# Altium PCB Nixie_MCU.PcbDoc (part 1 of 2) (continued)
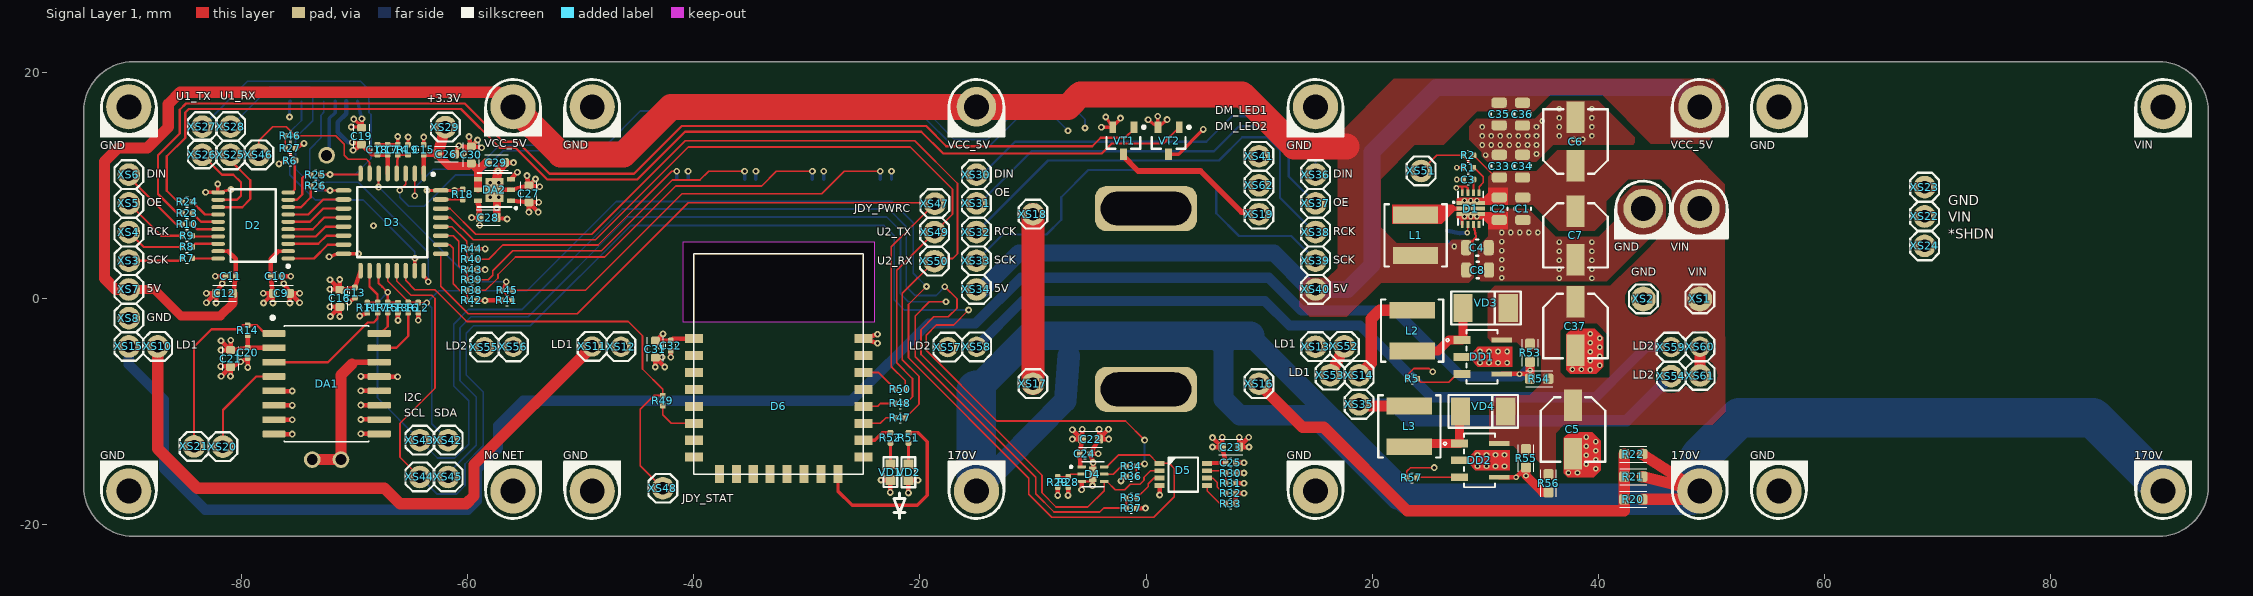
[diagram p0: Signal Layer 1 view]
## Components (designator, comment, footprint, x,y, rotation, side; value= is the part's Value field where it differs from the comment) (continued)
C30 "Ceramic capacitor, 10 мкФ, X7R, ±10%, 16V, 0603, -55...+125°C" "CAP: 0603R" -59.7,12.75 r90 top value="10 мкФ"
C31 "Ceramic capacitor, 2,2 мкФ, X7R, ±10%, 16V, 0603, -55...+125°C" "CAP: 0603R" -43.416,-4.44 r270 top value="2,2 мкФ"
C32 "Ceramic capacitor, 0,1 мкФ, X7R, ± 10 %, , 0402, -55...+125°C" "CAP: 0402R" -42.04,-4.129 r90 top value="0,1 мкФ"
C33 "" "CAP: 0805R" 31.267,11.755 r270 top value="22 мкФ"
C34 "" "CAP: 0805R" 33.307,11.755 r270 top value="22 мкФ"
C35 "" "CAP: 0805R" 31.247,16.361 r90 top value="22 мкФ"
C36 "" "CAP: 0805R" 33.307,16.356 r90 top value="22 мкФ"
C37 "Aluminium capacitor, 100 мкФ, , ±20%, , 5×5×5.3, -55...+105°C" "CAP: D5H5.8" 38,-2.4 r270 top value="100 мкФ"
D1 "DC/DC buck converter, 3 V to 17 V, 1.25 or 2.5MHz, 0.8 V to 12 V, 2A, -40...+85°C, 3-mm x 2-mm VQFN" 11-VQFN(RGX) 28.727,8 r0 top
D2 "8-Bit Bidirectional Voltage-Level Translator, 24 Mbps, , 1.2 V to 3.6 V on A port and 1.65 V to 5.5 V on B, -40...+105°C, 20-TSSOP" 20-TSSOP -79,6.5 r180 top
D3 "IC microcontroller, 32-Bit, Cortex-M0, 48MHz, 32KB, 4KB, 2.4...3.6V, -40...+85°C, 32-LQFP" 32-LQFP -66.7,6.8 r270 top locked
D4 "Ambient Light Sensor, 1.6 V to 3.6 V, , , , -40…+85, USON (6)" "6-USON (OPT)" -4.7,-15.5 r0 top
D5 "Digital Temperature Sensor, 2.7V to 5.5V, , , , -40…+85, MSOP-8" 8-MSOP 1.2,-14.55 r270 top
D6 "bluetooth module, , , , -40...+85°C," "MOD: JDY-25M" -40,-15.5 r0 top locked
DA1 "Standard Clock Oscillators, , 15pF, ±50ppm, 7*5mm, -40...+85°C" 16-SOIC -72.5,-7.5 r0 top locked
DA2 "LP38693SD-3.3/NOPB" 6-WSON -57.647,9.642 r270 top
DD1 "LED current driver, 6 V to 30 v, , , 1.2A, -40…+125, SOT89-5" 5-SOT-89 29.728,-5.125 r270 top
DD2 "LED current driver, 6 V to 30 v, , , 1.2A, -40…+125, SOT89-5" 5-SOT-89 29.503,-14.275 r270 top
L1 "Fixed inductor, 2,2 мкГн, , , , -40...+125°C" "IND: VLS5045EX" 23.95,5.625 r90 top value="2,2 мкГн"
L2 "Fixed inductor, 100 мкГн, , , , -40...+125°C" "IND: VLS5045EX" 23.45,-2.8 r270 top value="100 мкГн"
L3 "Fixed inductor, 100 мкГн, , , , -40...+125°C" "IND: VLS5045EX" 23.2,-11.275 r270 top value="100 мкГн"
R1 "" "RES: 0402_ASK" 28.52,11.624 r180 top value="Не уст"
R2 "" "RES: 0402_ASK" 28.523,12.704 r180 top value="22 Ом"
R3 "" "RES: 0402_ASK" 27.75,6.275 r90 bottom value="150 кОм"
R4 "" "RES: 0402_ASK" 26.675,5.575 r90 bottom value="560 кОм"
R5 "" "RES: 0402_ASK" 23.55,-7.05 r0 top value="22 Ом"
R6 "" "RES: 0402_ASK" -75.7,12.25 r0 top value="20 кОм"
R7 "" "RES: 0402_ASK" -84.85,3.6 r180 top value="22 Ом"
R8 "" "RES: 0402_ASK" -84.85,4.6 r180 top value="22 Ом"
R9 "" "RES: 0402_ASK" -84.85,5.6 r180 top value="22 Ом"
R10 "" "RES: 0402_ASK" -84.85,6.6 r180 top value="22 Ом"
R11 "" "RES: 0402_ASK" -68.891,-0.77 r90 top value="10 кОм"
R12 "" "RES: 0402_ASK" -64.388,-0.769 r90 top value="10 кОм"
R13 "" "RES: 0402_ASK" -66.187,-0.774 r90 top value="10 кОм"
R14 "" "RES: 0402_ASK" -79.485,-2.772 r90 top value="10 кОм"
R15 "" "RES: 0402_ASK" -67.088,-0.764 r270 top value="22 Ом"
R16 "" "RES: 0402_ASK" -65.286,-0.768 r270 top value="22 Ом"
R17 "" "RES: 0402_ASK" -67.988,-0.766 r270 top value="22 Ом"
R18 "" "RES: 0402_ASK" -60.456,9.253 r90 top value="10 кОм"
R19 "" "RES: 0402_ASK" -65.3,13.2 r270 top value="10 кОм"
R20 "Resistor film, ?, ±1%, 0603, 0.1W, -55...+125°C" "RES: 0603_ASK" 42.325,-17.739 r0 top value=?
R21 "Resistor film, ?, ±1%, 0603, 0.1W, -55...+125°C" "RES: 0603_ASK" 42.325,-15.739 r0 top value=?
R22 "Resistor film, ?, ±1%, 0603, 0.1W, -55...+125°C" "RES: 0603_ASK" 42.325,-13.739 r0 top value=?
R23 "" "RES: 0402_ASK" -84.845,7.603 r0 top value="10 кОм"
R24 "" "RES: 0402_ASK" -84.847,8.606 r0 top value="10 кОм"
R25 "" "RES: 0402_ASK" -73.45,11 r180 top value="Не уст"
R26 "" "RES: 0402_ASK" -73.45,10 r180 top value="Не уст"
R27 "" "RES: 0402_ASK" -75.7,13.352 r0 top value="Не уст"
R28 "" "RES: 0402_ASK" -6.895,-16.196 r90 top value="22 Ом"
R29 "" "RES: 0402_ASK" -7.8,-16.2 r90 top value="Не уст"
R30 "" "RES: 0402_ASK" 7.5,-15.4 r0 top value="Не уст"
R31 "" "RES: 0402_ASK" 7.5,-16.3 r0 top value="22 Ом"
R32 "" "RES: 0402_ASK" 7.5,-17.2 r0 top value="22 Ом"
R33 "" "RES: 0402_ASK" 7.5,-18.1 r0 top value="22 Ом"
R34 "" "RES: 0402_ASK" -1.3,-14.8 r0 top value="22 Ом"
R35 "" "RES: 0402_ASK" -1.3,-17.6 r180 top value="22 Ом"
R36 "" "RES: 0402_ASK" -1.3,-15.7 r180 top value="10 кОм"
R37 "" "RES: 0402_ASK" -1.3,-18.5 r0 top value="10 кОм"
R38 "" "RES: 0402_ASK" -59.639,0.766 r180 top value="22 Ом"
R39 "" "RES: 0402_ASK" -59.644,1.688 r180 top value="22 Ом"
R40 "" "RES: 0402_ASK" -59.652,3.519 r180 top value="22 Ом"
R41 "" "RES: 0402_ASK" -56.549,-0.132 r0 top value="10 кОм"
R42 "" "RES: 0402_ASK" -59.652,-0.132 r180 top value="10 кОм"
R43 "" "RES: 0402_ASK" -59.65,2.6 r180 top value="10 кОм"
R44 "" "RES: 0402_ASK" -59.643,4.448 r180 top value="10 кОм"
R45 "" "RES: 0402_ASK" -56.537,0.772 r180 top value="22 Ом"
R46 "" "RES: 0402_ASK" -75.7,14.453 r0 top value="22 Ом"
R47 "" "RES: 0402_ASK" -21.75,-10.5 r180 top value="22 Ом"
R48 "" "RES: 0402_ASK" -21.75,-9.25 r180 top value="22 Ом"
R49 "" "RES: 0402_ASK" -42.75,-9 r270 top value="22 Ом"
R50 "" "RES: 0402_ASK" -21.75,-8 r180 top value="22 Ом"
R51 "" "RES: 0402_ASK" -21.011,-12.3 r90 top value="1 кОм"
R52 "" "RES: 0402_ASK" -22.61,-12.3 r90 top value="1 кОм"
R53 "Resistor film, ?, ±1%, 0603, 0.1W, -55...+125°C" "RES: 0603_ASK" 34,-5.55 r90 top value=?
R54 "Resistor film, ?, ±1%, 0603, 0.1W, -55...+125°C" "RES: 0603_ASK" 34,-7.075 r0 top value=?
R55 "Resistor film, ?, ±1%, 0603, 0.1W, -55...+125°C" "RES: 0603_ASK" 33.637,-14.889 r90 top value=?
R56 "Resistor film, ?, ±1%, 0603, 0.1W, -55...+125°C" "RES: 0603_ASK" 35.625,-17.1 r90 top value=?
R57 "" "RES: 0402_ASK" 23.525,-15.825 r0 top value="22 Ом"
VD1 "LED, *, *, *, -55...+150°C" "LED: 0603B" -22.61,-15.321 r270 top
VD2 "LED, *, *, *, -55...+150°C" "LED: 0603B" -21.011,-15.336 r270 top
VD3 "Schottky diode, 80V, 500mA, 1V, 15pF, SOD-123, -55...+150°C" "DIODE: SMA" 30.05,-0.8 r0 top
VD4 "Schottky diode, 80V, 500mA, 1V, 15pF, SOD-123, -55...+150°C" "DIODE: SMA" 29.825,-9.95 r0 top
VT1 "NPN transistor, 45V, 100mA, 100MHz, 300mW, 0.6V, 420, SOT-23, -55...+125°C" SOT23 -2,14 r270 top
VT2 "NPN transistor, 45V, 100mA, 100MHz, 300mW, 0.6V, 420, SOT-23, -55...+125°C" SOT23 2,14 r270 top
XP1 "Connector, 2pin, 0.8mm, 50VAC, 1A" "CON: SM02B-SRSS-TB" -41,13 r180 bottom
XP2 "Connector, 2pin, 0.8mm, 50VAC, 1A" "CON: SM02B-SRSS-TB" -35,13 r180 bottom
XP3 "Connector, 2pin, 0.8mm, 50VAC, 1A" "CON: SM02B-SRSS-TB" -29,13 r180 bottom
XP4 "Connector, 2pin, 0.8mm, 50VAC, 1A" "CON: SM02B-SRSS-TB" -23,13 r180 bottom
XP5 "BM08B-SRSS-TB" "CON: BM08B-SRSS-TB" -72.25,17.5 r0 bottom
XP6 "120591-1" "CON: 120591-1 (CR2032)" -72.5,-0.75 r90 bottom locked
XS1 "" "CON: PLD-1"#1 49,0 r0 top
XS2 "" "CON: PLD-1"#1 44,0 r0 top
XS3 "" "CON: PLD-1"#2 -90,3.38 r90 top
XS4 "" "CON: PLD-1"#2 -90,5.92 r90 top
XS5 "" "CON: PLD-1"#2 -90,8.46 r90 top
XS6 "" "CON: PLD-1"#2 -90,11 r90 top
XS7 "" "CON: PLD-1"#2 -90,0.84 r90 top
XS8 "" "CON: PLD-1"#2 -90,-1.7 r90 top
XS10 "" "CON: PLD-1"#2 -87.445,-4.203 r90 top
XS11 "" "CON: PLD-1"#3 -49,-4.2 r90 top
XS12 "" "CON: PLD-1"#3 -46.45,-4.225 r90 top
XS13 "" "CON: PLD-1"#2 15,-4.225 r90 top
XS14 "" "CON: PLD-1"#2 18.855,-6.753 r90 top
XS15 "" "CON: PLD-1"#2 -90,-4.2 r90 top
XS16 "" "CON: PLD-1"#2 10,-7.5 r270 top
XS17 "" "CON: PLD-1"#2 -10,-7.5 r270 top
XS18 "" "CON: PLD-1"#2 -10,7.5 r270 top
XS19 "" "CON: PLD-1"#2 10,7.5 r270 top
XS20 "" "CON: PLD-1"#2 -81.673,-13.067 r180 top
XS21 "" "CON: PLD-1"#2 -84.223,-13.045 r180 top
XS22 "" "CON: PLD-1"#2 68.9,7.3 r270 top
XS23 "" "CON: PLD-1"#2 68.9,9.9 r270 top
XS24 "" "CON: PLD-1"#2 68.9,4.7 r270 top
XS25 "" "CON: PLD-1"#2 -81,12.75 r0 top
XS26 "" "CON: PLD-1"#4 -83.5,12.825 r0 top
XS27 "" "CON: PLD-1"#2 -83.5,15.25 r0 top
XS28 "" "CON: PLD-1"#2 -81,15.25 r0 top
XS29 "" "CON: PLD-1"#2 -62,15.2 r90 top
XS30 "" "CON: PLD-1"#2 -15,11 r90 top
XS31 "" "CON: PLD-1"#2 -15,8.46 r90 top
XS32 "" "CON: PLD-1"#2 -15,5.92 r90 top
XS33 "" "CON: PLD-1"#2 -15,3.38 r90 top
XS34 "" "CON: PLD-1"#2 -15,0.84 r90 top
XS35 "" "CON: PLD-1"#2 18.85,-9.325 r90 top
XS36 "" "CON: PLD-1"#2 15,11 r90 top
XS37 "" "CON: PLD-1"#2 15,8.46 r90 top
XS38 "" "CON: PLD-1"#2 15,5.92 r90 top
XS39 "" "CON: PLD-1"#2 15,3.38 r90 top
XS40 "" "CON: PLD-1"#2 15,0.84 r90 top
XS41 "" "CON: PLD-1"#2 10,12.625 r90 top
XS42 "" "CON: PLD-1"#2 -61.75,-12.5 r90 top
XS43 "" "CON: PLD-1"#2 -64.25,-12.5 r90 top
XS44 "" "CON: PLD-1"#2 -64.25,-15.75 r90 top
XS45 "" "CON: PLD-1"#2 -61.75,-15.75 r90 top
XS46 "" "CON: PLD-1"#2 -78.5,12.75 r90 top
XS47 "" "CON: PLD-1"#2 -18.686,8.438 r90 top
XS48 "" "CON: PLD-1"#2 -42.75,-16.75 r90 top
XS49 "" "CON: PLD-1"#2 -18.706,5.913 r90 top
XS50 "" "CON: PLD-1"#2 -18.718,3.34 r90 top
XS51 "" "CON: PLD-1"#2 24.35,11.325 r90 top
XS52 "" "CON: PLD-1"#2 17.555,-4.203 r90 top
XS53 "" "CON: PLD-1"#2 16.3,-6.75 r90 top
XS54 "" "CON: PLD-1"#2 46.475,-6.825 r90 top
XS55 "" "CON: PLD-1"#3 -58.532,-4.262 r90 top
XS56 "" "CON: PLD-1"#3 -55.98,-4.231 r90 top
XS57 "" "CON: PLD-1"#3 -17.532,-4.262 r90 top
XS58 "" "CON: PLD-1"#3 -14.98,-4.231 r90 top
XS59 "" "CON: PLD-1"#3 46.468,-4.262 r90 top
XS60 "" "CON: PLD-1"#3 49.02,-4.231 r90 top
XS61 "" "CON: PLD-1"#2 49.025,-6.775 r90 top
XS62 "" "CON: PLD-1"#2 10,10.05 r90 top

## Footprints (in the part's own frame and the unit in brackets; to place one, negate y for a bottom-side part, rotate by r counter-clockwise, add the part's x,y. Pads: shape width x height; smd on the part's side, far side on the other; paste and mask are expansions set on the pad)
5-SOT-89 [mm]
  rect 0.7x1.5 smd: 1(-1.5,-1.753) 2(0,-1.753) 3(1.5,-1.753)
  rect 0.432x1.8 smd: 4(1.5,1.753) 5(-1.5,1.753)
  Signal Layer 1 region: 0.876,-0.356 0.241,-0.94 0.241,-1.245 -0.241,-1.245 -0.241,-0.94 -0.876,-0.356 -0.876,2.667 0.876,2.667
  silkscreen extent -2.37,-3.18 2.37,1.37, body extent -2.25,-2.25 2.25,2.25, height 1.8
"6-USON (OPT)" [mm]
  rrect25% 0.74x0.27 smd: 1(-0.995,0.65) 2(-0.995,0) 3(-0.995,-0.65) 4(0.995,-0.65) 5(0.995,0) 6(0.995,0.65)
  rect 0.65x1.35 smd paste-2: 7(0,0)
  silkscreen extent -2.03,-1.1 1,1.1, body extent -1,-1 1,1, height 0.65
6-WSON [mm]
  rect 0.4x0.7 smd mask+0.05: 1(0.95,1.45) 2(0,1.45) 3(-0.95,1.45) 4(-0.95,-1.45) 5(0,-1.45) 6(0.95,-1.45)
  rect 2.1x1.6 smd mask+0.075: 7(0,0)
  silkscreen extent -1.5,-1.5 1.7,2, body extent -1.5,-1.5 1.5,1.5, height 0.8
8-MSOP [mm] "pitch 0.65 mm"
  rect 0.42x0.89 smd: 1(0,0) 2(0.65,0) 3(1.3,0) 4(1.95,0) 5(1.95,4.19) 6(1.3,4.19) 7(0.65,4.19) 8(0,4.19)
  round 0.5 on Top Overlay: ""(-0.7,0)
  silkscreen extent -0.53,0.8 2.5,3.4, body extent -0.53,-0.35 2.48,4.55, height 1.15
11-VQFN(RGX) [mm]
  rect 2.5x0.35 smd: 1(0,0.5) 2(0,0) 3(0,-0.5)
  rect 0.25x0.6 smd: 4(-0.75,-1.4) 5(-0.25,-1.4) 6(0.25,-1.4) 7(0.75,-1.4) 8(0.75,1.4) 9(0.25,1.4) 10(-0.25,1.4) 11(-0.75,1.4)
  silkscreen extent -1.55,-1.47 1.12,1.5, body extent -1,-1.51 1,1.49, height 1
16-SOIC [mm] "pitch 1.27 mm"
  rrect25% 2.05x0.59 smd: 1(-4.655,4.445) 2(-4.655,3.175) 3(-4.655,1.905) 4(-4.655,0.635) 5(-4.655,-0.635) 6(-4.655,-1.905) 7(-4.655,-3.175) 8(-4.655,-4.445) 9(4.655,-4.445) 10(4.655,-3.175) 11(4.655,-1.905) 12(4.655,-0.635) 13(4.655,0.635) 14(4.655,1.905) 15(4.655,3.175) 16(4.655,4.445)
  silkscreen extent -4.87,-5.15 3.75,5.94, body extent -5.16,-5.15 5.16,5.15, height 2.65
20-TSSOP [mm] "pitch 0.65 mm"
  oval 1.2x0.35 smd: 1(-3.1,2.925) 2(-3.1,2.275) 3(-3.1,1.625) 4(-3.1,0.975) 5(-3.1,0.325) 6(-3.1,-0.325) 7(-3.1,-0.975) 8(-3.1,-1.625) 9(-3.1,-2.275) 10(-3.1,-2.925) 11(3.1,-2.925) 12(3.1,-2.275) 13(3.1,-1.625) 14(3.1,-0.975) 15(3.1,-0.325) 16(3.1,0.325) 17(3.1,0.975) 18(3.1,1.625) 19(3.1,2.275) 20(3.1,2.925)
  round 0.5 on Mech1: ""(-2.8,2.8)
  silkscreen extent -3.22,-3.2 2,3.72, body extent -3.3,-3.3 3.3,3.3, height 1.2
32-LQFP [mm] "pitch 0.8 mm"
  rrect100% 1.4x0.4 smd: 1(-4.3,2.8) 2(-4.3,2) 3(-4.3,1.2) 4(-4.3,0.4) 5(-4.3,-0.4) 6(-4.3,-1.2) 7(-4.3,-2) 8(-4.3,-2.8) 17(4.3,-2.8) 18(4.3,-2) 19(4.3,-1.2) 20(4.3,-0.4) 21(4.3,0.4) 22(4.3,1.2) 23(4.3,2) 24(4.3,2.8)
  rrect100% 0.4x1.4 smd: 9(-2.8,-4.3) 10(-2,-4.3) 11(-1.2,-4.3) 12(-0.4,-4.3) 13(0.4,-4.3) 14(1.2,-4.3) 15(2,-4.3) 16(2.8,-4.3) 25(2.8,4.3) 26(2,4.3) 27(1.2,4.3) 28(0.4,4.3) 29(-0.4,4.3) 30(-1.2,4.3) 31(-2,4.3) 32(-2.8,4.3)
  round 0.5 on Mech1: ""(-4,4)
  silkscreen extent -4.35,-3.1 3.1,3.75, body extent -4.57,-4.57 4.57,4.57, height 1.62
"CAP: 0402R" [mm] "Chip Capacitor, Body 1.0x0.5mm, IPC High Density"
  rrect40% 0.5x0.5 smd mask+0.075: 1(-0.45,0) 2(0.45,0)
  silkscreen extent -0.1,-0.45 0.1,0.45, body extent -0.53,-0.28 0.53,0.28, height 0.55
"CAP: 0603R" [mm]
  rrect43% 0.7x0.8 smd mask+0.1: 1(0.75,0) 2(-0.75,0)
  silkscreen extent -1.05,-0.7 1.05,0.7, body extent -0.88,-0.48 0.87,0.47, height 0.95
"CAP: 0805R" [mm] "Chip Capacitor, Body 2.0x1.3mm, PANTES land pattern"
  rrect50% 0.9x1.35 smd mask+0.075: 1(-1,0) 2(1,0)
  silkscreen extent -0.1,-0.72 0.1,0.72, body extent -1.1,-0.72 1.1,0.72, height 1.45
"CAP: D5H5.8" [mm] "Aluminum Capacitor, Body 5(D)x5.8(L)mm, Recommended land pattern"
  rect 2.8x1.6 smd mask+0.075: 1(-2.15,0) 2(2.15,0)
  silkscreen extent -2.85,-2.85 2.85,2.85, body extent -3.25,-2.8 3.25,2.8, height 6.1
"CON: 120591-1 (CR2032)" [mm] "CR2032 Holder"
  round 1.478 hole 0.97: 1(-13.46,-1.27) 1(-13.46,1.27) 2(13.46,0)
  silkscreen extent -17.95,-9.53 13.17,9.53, body extent -13.63,-9.43 13.67,9.62, height 6.12
"CON: BM08B-SRSS-TB" [mm]
  rect 0.6x1.55 smd: 1(-3.476,0) 2(-2.476,0) 3(-1.484,0) 4(-0.492,0) 5(0.5,0) 6(1.492,0) 7(2.484,0) 8(3.476,0)
  rect 1.2x1.8 smd: SH1(-4.776,2.525) SH2(4.792,2.525)
  silkscreen extent -4.98,-0.62 5.01,3.22, body extent -4.97,-0.53 5.03,3.08, height 4.25
"CON: PLD-1"#1 [mm]
  round 2.2 hole 1.1: 1(0,0)
  silkscreen extent -1.27,-1.27 1.27,1.27
"CON: PLD-1"#2 [mm]
  round 2 hole 1.1: 1(0,0)
  silkscreen extent -1.27,-1.27 1.27,1.27
"CON: PLD-1"#3 [mm]
  round 1.8 hole 1.1: 1(0,0)
  silkscreen extent -1.27,-1.27 1.27,1.27
"CON: PLD-1"#4 [mm]
  round 2 hole 1.1: 1(0,-0.075)
  silkscreen extent -1.27,-1.27 1.27,1.27
"CON: SM02B-SRSS-TB" [mm] "Угловой"
  rect 0.6x1.55 smd: 1(0.5,-3) 2(-0.5,-3)
  rect 1.4x1.8 smd: K1(-1.9,0.875) K2(1.9,0.875)
  silkscreen extent -2.2,-3.38 2.2,-0.4, body extent -2,-3.55 2,1.4, height 2.95
"DIODE: SMA" [mm]
  rect 1.7x2.5 smd: 1(-2,0) 2(2,0)
  round 0.5 on Mech1: ""(2,0.9)
  silkscreen extent -3.05,-1.45 3.1,1.45, body extent -2.5,-1.35 2.5,1.35, height 2.28
"IND: VLS5045EX" [mm]
  rect 1.5x4 smd paste+0 mask+0.075: 1(1.8,0.1) 2(-1.8,0.1)
  silkscreen extent -2.75,-2.65 2.75,2.85, body extent -2.5,-2.4 2.5,2.6, height 4.49
"LED: 0603B" [mm]
  rect 0.85x0.85 smd: 1(-0.7,0) 2(0.7,0)
  silkscreen extent -1.33,-0.63 1.33,0.6, body extent -0.8,-0.4 0.8,0.4, height 0.6
"MOD: JDY-25M" [mm] "3д это jdy8 по идее подойдет тоже"
  rect 1.6x0.8 smd: 1(0,12) 2(0,10.5) 3(0,9) 4(0,7.5) 5(0,6) 6(0,4.5) 7(0,3) 8(0,1.5) 17(15,1.5) 18(15,3) 19(15,4.5) 20(15,6) 21(15,7.5) 22(15,9) 23(15,10.5) 24(15,12)
  rect 0.8x1.6 smd: 9(2.25,0) 10(3.75,0) 11(5.25,0) 12(6.75,0) 13(8.25,0) 14(9.75,0) 15(11.25,0) 16(12.75,0)
  silkscreen extent 0,0 15,19.5, body extent 0,0 15.01,19.89, height 2.18
"RES: 0402_ASK" [mm] "Chip Resistor, Body 1.0x0.5mm, IPC High Density"
  rrect40% 0.5x0.5 smd mask+0.075: 1(-0.45,0) 2(0.45,0)
  silkscreen extent -0.1,-0.45 0.1,0.45, body extent -0.52,-0.27 0.53,0.28, height 0.37
"RES: 0603_ASK" [mm]
  rrect35% 0.9x0.9 smd mask+0.075: 1(-0.011,0.012) 2(1.589,0.012)
  silkscreen extent -0.41,-0.69 1.99,0.71, body extent -0.06,-0.44 1.64,0.46, height 0.55
SOT23 [mm]
  rect 1x0.6 smd: 1(-1.2,0.95) 2(-1.2,-0.95) 3(1.2,0)
  round 0.5 on Mech1: ""(-0.9,1.1)
  silkscreen extent -1.32,-1.5 0.7,1.92, body extent -1.32,-1.52 1.32,1.52, height 1.12

## Part data
C1 C2 C4 C8 C33 C34 C35 C36: library part Ceramic_0603, Package=0805, Temperature=-55...+125°C, Tolerance=±20%, TypeCapacitor="Ceramic capacitor", TypeDielectric=X5R, Volt=25В, Перечень="22 мкФ ±20%, 25В, X5R, 0805"
C3: library part Ceramic_0402, Manufacturer=Murata, Package=0402, Temperature=-55...+125°C, Tolerance="± 10 %", TypeCapacitor="Ceramic capacitor", TypeDielectric=X7R, Volt="50 В", ValueManufacturerPartNumber="Ceramic capacitor, 2200 пФ, X7R, ± 10 %, , 0402, -55...+125°C", Перечень="2200 пФ ± 10 %, 50 В, X7R, 0402"
C5 C6 C7 C37: library part Aluminium, Manufacturer=Panasonic, Package=5×5×5.3, PartNumber=EEE-FT1C101AR, Temperature=-55...+105°C, Tolerance=±20%, TypeCapacitor="Aluminium capacitor", HelpURL=https://www.compel.ru/infosheet/PAN/EEEFT1C101AR, ValueManufacturerPartNumber="Aluminium capacitor, 100 мкФ, , ±20%, , 5×5×5.3, -55...+105°C"
C9 C12 C16 C19 C21 C22 C23 C26 C27 C28 C29 C30 C31: library part Ceramic_0603, Manufacturer=Yageo, Package=0603, Temperature=-55...+125°C, Tolerance=±10%, TypeCapacitor="Ceramic capacitor", TypeDielectric=X7R, Voltage=16V
  C9 C12 C21 C22 C23 C31: ValueManufacturerPartNumber="Ceramic capacitor, 2,2 мкФ, X7R, ±10%, 16V, 0603, -55...+125°C", Перечень="2,2 мкФ ±10%, , X7R,  0603"
  C16 C19 C26 C27 C28 C29 C30: ValueManufacturerPartNumber="Ceramic capacitor, 10 мкФ, X7R, ±10%, 16V, 0603, -55...+125°C", Перечень="10 мкФ ±10%, , X7R,  0603"
C10 C11 C13 C14 C15 C17 C18 C20 C24 C25 C32: library part Ceramic_0402, Manufacturer=Murata, Package=0402, PartNumber=GCM155R71H104KE02#, Temperature=-55...+125°C, Tolerance="± 10 %", TypeCapacitor="Ceramic capacitor", TypeDielectric=X7R, Volt="50 В"
  C10 C11 C13 C14 C15 C18 C20 C24 C25 C32: ValueManufacturerPartNumber="Ceramic capacitor, 0,1 мкФ, X7R, ± 10 %, , 0402, -55...+125°C", Перечень="0,1 мкФ ± 10 %, 50 В, X7R, 0402"
  C17: ValueManufacturerPartNumber="Ceramic capacitor, 10 нФ, X7R, ± 10 %, , 0402, -55...+125°C", Перечень="10 нФ ± 10 %, 50 В, X7R, 0402"
D1: library part TPS62147RGX, "3-V to 17-V 2-A Step-Down Converters", CurrentOutput=2A, Frequency="1.25 or 2.5MHz", Manufacturer="Texas Instruments", Package="3-mm x 2-mm VQFN", Temperature=-40...+85°C, VoltageInput="3 V to 17 V", VoltageOutput="0.8 V to 12 V", ComponentType="DC/DC buck converter", HelpURL=https://pdf1.alldatasheet.com/datasheet-pdf/view/1031882/TI1/TPS62147RGXR.html, PartNumber=TPS62147RGX, ValueManufacturerPartNumber="DC/DC buck converter, 3 V to 17 V, 1.25 or 2.5MHz, 0.8 V to 12 V, 2A, -40...+85°C, 3-mm x 2-mm VQFN"
D2: library part TXS0108EPW, "Voltage-Level Translator", Manufacturer="Texas Instruments", Package=20-TSSOP, Temperature=-40...+105°C, ComponentType="8-Bit Bidirectional Voltage-Level Translator", DataRate="24 Mbps", PartNumber=TXS0108EPW, Supply="1.2 V to 3.6 V on A port and 1.65 V to 5.5 V on B", ValueManufacturerPartNumber="8-Bit Bidirectional Voltage-Level Translator, 24 Mbps, , 1.2 V to 3.6 V on A port and 1.65 V to 5.5 V on B, -40...+105°C, 20-TSSOP"
D3: library part STM32F030K6T6, "Cortex-M0", Manufacturer=STMicroelectronics, Package=32-LQFP, PartNumber=STM32L031K6T6, Temperature=-40...+85°C, ComponentType="IC microcontroller", CoreProcessor=Cortex-M0, CoreSize=32-Bit, HelpURL=https://www.digikey.com/product-detail/en/stmicroelectronics/STM32F031K4U6/497-13621-ND/3947373, MemoryRAM=4KB, MemoryROM=32KB, Speed=48MHz, Supply=2.4...3.6V, ValueManufacturerPartNumber="IC microcontroller, 32-Bit, Cortex-M0, 48MHz, 32KB, 4KB, 2.4...3.6V, -40...+85°C, 32-LQFP", Перечень=STM32L031K6T6
D4: library part OPT3001IDNPQ1, "Ambient Light Sensor", Manufacturer="Texas Instruments", Package="USON (6)", PartNumber=OPT3001DNP, Temperature=-40…+85, VoltageInput="1.6 V to 3.6 V", ComponentType="Ambient Light Sensor", HelpURL=https://www.ti.com/lit/ds/symlink/opt3001.pdf?ts=1656114666246, ValueManufacturerPartNumber="Ambient Light Sensor, 1.6 V to 3.6 V, , , , -40…+85, USON (6)"
D5: library part TMP75AIDGKT, "Digital Temperature Sensor", Manufacturer="Texas Instruments", Package=MSOP-8, Temperature=-40…+85, VoltageInput="2.7V to 5.5V", ComponentType="Digital Temperature Sensor", HelpURL=https://www.elitan.ru/pdf/0/2/0/5/0/02050737.pdf, PartNumber=TMP75AIDGKT, ValueManufacturerPartNumber="Digital Temperature Sensor, 2.7V to 5.5V, , , , -40…+85, MSOP-8"
D6: library part JDY-25M, "bluetooth module", Temperature=-40...+85°C, ComponentType="bluetooth module", HelpURL=https://www.chipdip.ru/product/esp-07, PartNumber=JDY-25M, ValueManufacturerPartNumber="bluetooth module, , , , -40...+85°C,"
DA1: library part DS3231SN, LoadCapacitance=15pF, Manufacturer=Vectron, Package=7*5mm, PartNumber=VCC1-B3D-25M0000000, Temperature=-40...+85°C, Tolerance=±50ppm, HelpURL=https://www.elitan.ru/price/item7253679, TypeOscilator="Standard Clock Oscillators", ValueManufacturerPartNumber="Standard Clock Oscillators, , 15pF, ±50ppm, 7*5mm, -40...+85°C"
DA2: "LINEAR 3.3V 500MA 6WSON", CurrentOutput="500 mA", Manufacturer="Texas Instruments", Package="WSON (6)", Temperature=-40…+125, ValueManufacturerPartNumber="LDO, (2.7 V to 10 V), , output 3.3V, 500 mA, -40…+125, WSON (6)", VoltageInput="(2.7 V to 10 V)", VoltageOutput="output 3.3V", ComponentType=LDO, HelpURL=http://www.ti.com/lit/ds/symlink/lp38693-q1.pdf, PartNumber=LP38693SD-3.3/NOPB, Перечень=LP38693SD-3.3/NOPB
DD1 DD2: library part PT4115, "LED current driver", CurrentOutput=1.2A, Package=SOT89-5, Temperature=-40…+125, VoltageInput="6 V to 30 v", ComponentType="LED current driver", HelpURL=https://static.chipdip.ru/lib/848/DOC018848756.pdf, PartNumber=PT4115, ValueManufacturerPartNumber="LED current driver, 6 V to 30 v, , , 1.2A, -40…+125, SOT89-5"
L1: library part VLS5045EX, "Power Inductor, 5.0x5.0x4.5mm, -40°C to +105°C", PartNumber=VLS5045EX-2R2N, Temperature=-40...+125°C, TypeInductor="Fixed inductor", ValueManufacturerPartNumber="Fixed inductor, 2,2 мкГн, , , , -40...+125°C"
L2 L3: library part VLS5045EX, "Power Inductor, 5.0x5.0x4.5mm, -40°C to +105°C", PartNumber=VLS5045EX-101M, Temperature=-40...+125°C, TypeInductor="Fixed inductor", ValueManufacturerPartNumber="Fixed inductor, 100 мкГн, , , , -40...+125°C"
R1 R2 R3 R4 R23 R24: library part Resistor_0402, Package=0402, Power="0.063 Вт", Temperature=-55...+125°C, Tolerance=±1%, TypeResistor="Resistor film", ValueIII="0.063 Вт"
  R1: Перечень="Не уст ±1%, 0.063 Вт, 0402"
  R2: Перечень="22 Ом ±1%, 0.063 Вт, 0402"
  R3: Перечень="150 кОм ±1%, 0.063 Вт, 0402"
  R4: Перечень="560 кОм ±1%, 0.063 Вт, 0402"
  R23 R24: Перечень="10 кОм ±1%, 0.063 Вт, 0402"
R5 R6 R7 R8 R9 R10 R11 R12 R13 R14 R15 R16 R17 R18 R19 R25 R26 R27 R28 R29 R30 R31 R32 R33 R34 R35 R36 R37 R38 R39 R40 R41 R42 R43 R44 R45 R46 R47 R48 R49 R50 R57: library part Resistor_0402, Package=0402, PartNumber_book="Электроэлемент, резистор RC0402FR-0710KL", Power="0.063 Вт", Temperature=-55...+125°C, Tolerance=±1%, TypeResistor="Resistor film", ValueIII="0.063 Вт"
  R5 R7 R8 R9 R10 R15 R16 R17 R28 R31 R32 R33 R34 R35 R38 R39 R40 R45 R46 R47 R48 R49 R50 R57: Перечень="22 Ом ±1%, 0.063 Вт, 0402"
  R6: Перечень="20 кОм ±1%, 0.063 Вт, 0402"
  R11 R12 R13 R14 R18 R19 R36 R37 R41 R42 R43 R44: Перечень="10 кОм ±1%, 0.063 Вт, 0402"
  R25 R26 R27 R29 R30: Перечень="Не уст ±1%, 0.063 Вт, 0402"
R20 R21 R22 R53 R54 R55 R56: library part Resistor_0603, Manufacturer=Yageo, Package=0603, PartNumber=RC0603JR-07100RL, Power=0.1W, Temperature=-55...+125°C, Tolerance=±1%, TypeResistor="Resistor film", HelpURL=https://www.digikey.com/product-detail/en/yageo/RC0603JR-07100RL/311-100GRCT-ND/729644, ValueManufacturerPartNumber="Resistor film, ?, ±1%, 0603, 0.1W, -55...+125°C"
R51 R52: library part Resistor_0402, Manufacturer=TYCO, Package=0402, PartNumber=1676480-3, PartNumber_book="Электроэлемент, резистор RC0402FR-0710KL", Power="0.063 Вт", Temperature=-55...+125°C, Tolerance=±1%, TypeResistor="Resistor film", ValueIII="0.063 Вт", Перечень="1 кОм ±1%, 0.063 Вт, 0402"
VD1 VD2: library part LED_Salut_V1, Temperature=-55...+150°C, TypeDiode=LED, ValueManufacturerPartNumber="LED, *, *, *, -55...+150°C"
VD3 VD4: library part Schottky_single, Current=500mA, Manufacturer="Diodes Incorporated", Package=SOD-123, PartNumber=SS14H, Temperature=-55...+150°C, Voltage=80V, VoltageDrop=1V, HelpURL=https://www.digikey.com/product-detail/en/diodes-incorporated/MBR0580S1-7/MBR0580S1-7DICT-ND/5080371, RecoveryTime=15pF, TypeDiode="Schottky diode", ValueManufacturerPartNumber="Schottky diode, 80V, 500mA, 1V, 15pF, SOD-123, -55...+150°C"
VT1 VT2: library part BJT_NPN_132, CurrentCE=100mA, CurrentGain=420, Frequency=100MHz, Manufacturer="ON Semiconductor", MaxPower=300mW, Package=SOT-23, PartNumber=MMBTA42, Temperature=-55...+125°C, VoltageCE=45V, VoltageSaturation=0.6V, HelpURL=https://www.digikey.com/product-detail/en/on-semiconductor/BC847CLT1G/BC847CLT1GOSCT-ND/917836, TypeTransistor="NPN transistor", ValueManufacturerPartNumber="NPN transistor, 45V, 100mA, 100MHz, 300mW, 0.6V, 420, SOT-23, -55...+125°C"
XP1 XP2 XP3 XP4: library part SM02B-SRSS-TB, CurrentMax=1A, Manufacturer=JST, VoltageMax=50VAC, CommentText=SM02B-SRSS-TB, Multichannel=2pin, PartNumber=SM02B-SRSS-TB, Pitch=0.8mm, TypeConnector=Connector, ValueManufacturerPartNumber="Connector, 2pin, 0.8mm, 50VAC, 1A"
XP5: CurrentMax=3A, Manufacturer=jst, ValueManufacturerPartNumber="Connector, 8pin, , 250VAC, 3A", VoltageMax=250VAC, CommentText=BM08B-SRSS-TB, Multichannel=8pin, PartNumber=BM08B-SRSS-TB, TypeConnector=Connector
XP6: "CR2032 Holder", CurrentMax=3A, Manufacturer=jst, ValueManufacturerPartNumber="Connector, 2pin, , 250VAC, 3A", VoltageMax=250VAC, CommentText=120591-1, Multichannel=2pin, PartNumber=120591-1, TypeConnector=Connector
XS1 XS2 XS3 XS4 XS5 XS6 XS7 XS8 XS10 XS11 XS12 XS13 XS14 XS15 XS16 XS17 XS18 XS19 XS20 XS21 XS22 XS23 XS24 XS25 XS26 XS27 XS28 XS29 XS30 XS31 XS32 XS33 XS34 XS35 XS36 XS37 XS38 XS39 XS40 XS41 XS42 XS43 XS44 XS45 XS46 XS47 XS48 XS49 XS50 XS51 XS52 XS53 XS54 XS55 XS56 XS57 XS58 XS59 XS60 XS61 XS62: library part Контр.точка, CurrentMax=3A, Multichannel=1pin, TypeConnector=Connector, Перечень="Элемент платы"

## Free pads (board coordinates)
  round 4 hole 2.2: 16(-90,-17) 16(-90,17) 16(-56,-17) 16(-56,17) 16(-49,-17) 16(-49,17) 16(-15,-17) 16(15,-17) 16(15,17) 16(49,-17) 16(56,-17) 16(56,17) 16(90,-17) 16(90,17)
  round 3.5 hole 2.2: 16(-15,17) 16(44,8) 16(49,8)
  rrect50% 9x4 hole 3 slot 8 at 0 deg: 16(0,-8) 16(0,8)
  round 3.8 hole 2.2: 16(49,17)

## Via types
v1: diameter 0.6, hole 0.3, Signal Layer 1 to Bottom Layer, tented both sides, 153 vias
v2: diameter 0.5, hole 0.25, Signal Layer 1 to Bottom Layer, tented both sides, 101 vias
v3: diameter 0.6, hole 0.3, Signal Layer 1 to Bottom Layer, 4 vias

## Nets (pads, with @x,y where several pads share a name; then routed paths per layer and width w, separated by ;. In a path a pad name is that pad's centre, name@x,y a point inside that pad or via, vN(x,y) a via of type N, cw(c..) or ccw(c..) an arc to the next point about the centre after c; other vN are vias at no path point)
170V: pad.16@49,-17 pad.16@90,-17 pad.16@-15,-17 R20.2 R21.2 R22.2 | length 187.1
  Signal Layer 1 w1: R20.2@43.913,-17.727 48.273,-17.727 pad.16@49,-17 ; R21.2@43.913,-15.727 pad.16@49,-17 ; R22.2@43.913,-13.727 pad.16@49,-17
  Bottom Layer w1.8: 6.863,-4.113 6.863,-8.863 8.287,-10.287 14.745,-10.287 22.195,-17.737 ; 9.241,-3.25 23.725,-17.734
  Bottom Layer w2: pad.16@-15,-17 -7.164,-9.026 -6.84,-5.013 ; 6,-3.25 6.863,-4.113
  Bottom Layer w2.5: -15.027,-8.085 -10.192,-3.25 6,-3.25 9.241,-3.25
  Bottom Layer w2.8: 23.198,-17.734 48.266,-17.734 pad.16@49,-17
  Bottom Layer w3: pad.16@48.567,-17.433 pad.16@49,-17
  Bottom Layer w3.5: -15.027,-8.085 -15.027,-14.475 -15,-14.502 pad.16@-15,-17 ; pad.16@49,-17 49,-14 52.5,-10.5 83.767,-10.5 pad.16@89.834,-16.566
+3.3V: C9.2 C10.2 C13.2 C15.2 C16.2 C17.2 C18.2 C19.2 C20.2 C21.2 C22.2 C23.2 C24.2 C25.2 C26.2 C29.2 C30.2 C31.2 C32.2 D2.2 D3.1 D3.5 D3.17 D4.1 D5.8 D6.1 DA1.2 DA2.4 DA2.5 R11.1 R12.1 R13.1 R14.1 R19.1 R27.2 R29.1 R30.2 R36.2 R37.2 R41.1 R42.1 R43.1 R44.1 XP5.6 XS29.1 | length 70.6
  Signal Layer 1 w0.2: v1@-70.203,13.102 v1(-70.157,13.148)
  Signal Layer 1 w0.3: -76.775,4.225 D2.2@-75.9,4.225 ; R19.1@-65.3,13.65 v1(-65.288,14.327) ; R42.1@-59.202,-0.132 v1(-58.481,-0.132) ; R43.1@-59.2,2.6 v1(-58.479,2.6) ; R44.1@-59.193,4.448 -59.093,4.426 v1(-58.472,4.426)
  Signal Layer 1 w0.4: v1(-81.848,-4.522) -81.014,-4.522 v1(-81.848,-3.689) ; v1(-80.985,-3.66) C21.2@-80.985,-4.522 C20.2@-79.485,-4.322 ; R14.1@-79.485,-3.222 C20.2@-79.485,-4.322 ; v1(-78.112,0.5) C9.2@-77.25,0.5 C10.2@-77.45,2 -77.45,3.55 -76.775,4.225 ; v1(-78.083,-0.362) -77.25,0.471 v1(-77.25,-0.362) ; DA1.2@-77.155,-4.325 -79.483,-4.325 C20.2@-79.485,-4.322 ; R27.2@-75.25,13.352 v1(-74.503,13.766) ; v1(-72.204,0.862) -71.371,0.862 v1(-72.204,1.696) ; C16.2@-71.342,0.862 v1(-71.342,1.724) ; C16.2@-71.334,0.805 C13.2@-69.994,1.009 D3.17@-69.5,2.5 D3.17@-69.5,2.298 ; v1(-70.217,13.853) -69.6,13.679 C19.2@-69.4,13.679 ; v1(-70.157,13.148) C19.2@-69.6,13.5 ; v1(-69.572,-1.509) R11.1@-68.891,-1.22 ; C19.2@-69.4,13.65 -68.5,12.8 C18.2@-68,12.75 C17.2@-67.1,12.75 D3.5@-67.1,11.1 ; v1(-66.187,-1.894) R13.1@-66.187,-1.224 ; v1(-64.388,-1.889) R12.1@-64.388,-1.219 ; D3.1@-63.9,11.1 -63.907,11.107 C15.2@-63.907,12.748 -62.721,12.748 C26.2@-62.649,12.82 ; v1(-58.481,-0.132) R41.1@-56.999,-0.132 ; v1(-43.01,-4.184) C31.2@-43.416,-3.69 C31.2@-43.332,-3.69 ; v1(-42.733,-3.091) C31.2@-43.332,-3.69 ; C32.2@-42.243,-3.69 C31.2@-43.332,-3.69 ; C32.2@-42.04,-3.679 -41.86,-3.5 D6.1@-40,-3.5 ; v1(-7.803,-17.384) R29.1@-7.8,-16.65 ; v1(-6.512,-12.4) -5.679,-12.4 v1(-6.512,-11.567) ; D4.1@-5.833,-14.733 C24.2@-5.85,-13.7 C22.2@-5.65,-12.4 v1(-5.65,-11.538) ; v1(-2.212,-16.11) -1.8,-15.75 R36.2@-1.75,-15.7 ; R37.2@-0.85,-18.5 -0.846,-18.504 v1(-0.046,-18.504) ; D5.8@5.39,-14.55 C25.2@7.05,-14.5 C23.2@6.75,-13.1 v1(6.75,-12.238) ; v1(5.888,-13.1) 6.721,-13.1 v1(5.888,-12.267) ; R30.2@7.95,-15.4 v1(8.673,-15.4)
  Signal Layer 1 w0.7: C26.2@-62.649,12.739 -61.672,11.761 -59.939,11.761 C30.2@-59.7,12 -59.097,11.397 ; DA2.5@-59.097,9.765 DA2.4@-59.097,10.592 -59.097,11.397 ; C29.2@-58.377,12.117 -59.097,11.397
  Signal Layer 1 w1: C26.2@-62.649,12.82 XS29.1@-62,15.2
  Bottom Layer w0.4: XP5.6@-70.758,17.5 -70.758,16.396 -71.5,15.654 -71.5,14.75 -70.603,13.853 v1(-70.217,13.853)
+5V: C4.2 C8.2 C11.2 C12.2 C27.2 C28.2 C35.2 C36.2 D1.6 D2.19 DA2.1 DA2.3 DA2.6 L1.2 pad.16@49,17 pad.16@-15,17 pad.16@-56,17 R4.1 XS7.1 XS34.1 XS40.1 | length 280.7
  Signal Layer 1 w0.2: 28.857,5.102 29.139,5.383 ccw(c28.997,5.525) 29.192,5.571 29.144,5.772 cw(c29.776,5.923) 29.142,5.78 29.002,6.4 D1.6@28.986,6.591
  Signal Layer 1 w0.3: D2.19@-82.1,4.225 -81.225,4.225 ; v1(-59.671,7.2) C28.2@-58.95,7.2 v1(-58.95,6.531)
  Signal Layer 1 w0.4: -81.225,4.225 -80.55,3.55 C11.2@-80.55,2 C12.2@-80.775,0.5 ; DA2.1@-56.197,8.692 C27.2@-54.6,8.55 v1(-53.738,8.55) ; DA2.3@-56.197,10.592 v1(-55.621,11.212) ; v1(-54.6,7.688) -54.6,8.521 v1(-53.767,7.688)
  Signal Layer 1 w0.5: DA2.6@-59.085,8.565 C28.2@-58.95,7.2
  Signal Layer 1 w0.8: XS7.1@-90,0.84 -87.74,0.84 -85.4,-1.5 -81.899,-1.5 -80.775,-0.376 C12.2@-80.775,0.5
  Signal Layer 1 w1: XS7.1@-90,0.84 -91.163,0.84 -92.157,1.834 -92.157,12.153 -90.953,13.357 -88.365,13.357 -86.5,15.222 -86.5,17.25 -85.45,18.3 -57.3,18.3 pad.16@-56,17
  Signal Layer 1 w2.3: pad.16@-56,17 -51.798,12.798 -46.216,12.798 -42.014,17 pad.16@-15,17 -6.9,17 -5.807,18.093 8.507,18.093 13.1,13.5 17.75,13.5 ; pad.16@48.732,17.268 pad.16@49,17
  Layer 2 w2.3: -52,12 -47,12 -41,18 -16,18 pad.16@-15,17
  Bottom Layer w0.3: R4.1@26.675,5.125 v2(27.281,4.648)
  Bottom Layer w1.5: XS34.1@-15,0.84 -14.466,0.84 -11.256,4.05 11.322,4.05 14.532,0.84 XS40.1@15,0.84 17.84,0.84 20,3 20,13 25.712,18.712 47.288,18.712 pad.16@49,17
BTN_1: R40.1 XP1.1 | length 21.6
  Signal Layer 1 w0.15: R40.1@-59.202,3.519 -58.158,3.519 -56.9,4.777 -48.493,4.777 -41.971,11.299 v1(-41.515,11.299)
  Bottom Layer w0.3: XP1.1@-41.515,10.578 v1(-41.515,11.299)
BTN_2: R39.1 XP2.1 | length 28.6
  Signal Layer 1 w0.15: R39.1@-59.194,1.688 -58.212,1.688 -57.804,2.096 -57.804,2.496 -56.027,4.273 -48.178,4.273 -41.921,10.53 -39.47,10.53 -38.701,11.299 v1(-35.515,11.299)
  Bottom Layer w0.3: XP2.1@-35.515,10.578 v1(-35.515,11.299)